# KiCad board PANEL7x5_ADS1293.kicad_pcb (continued)
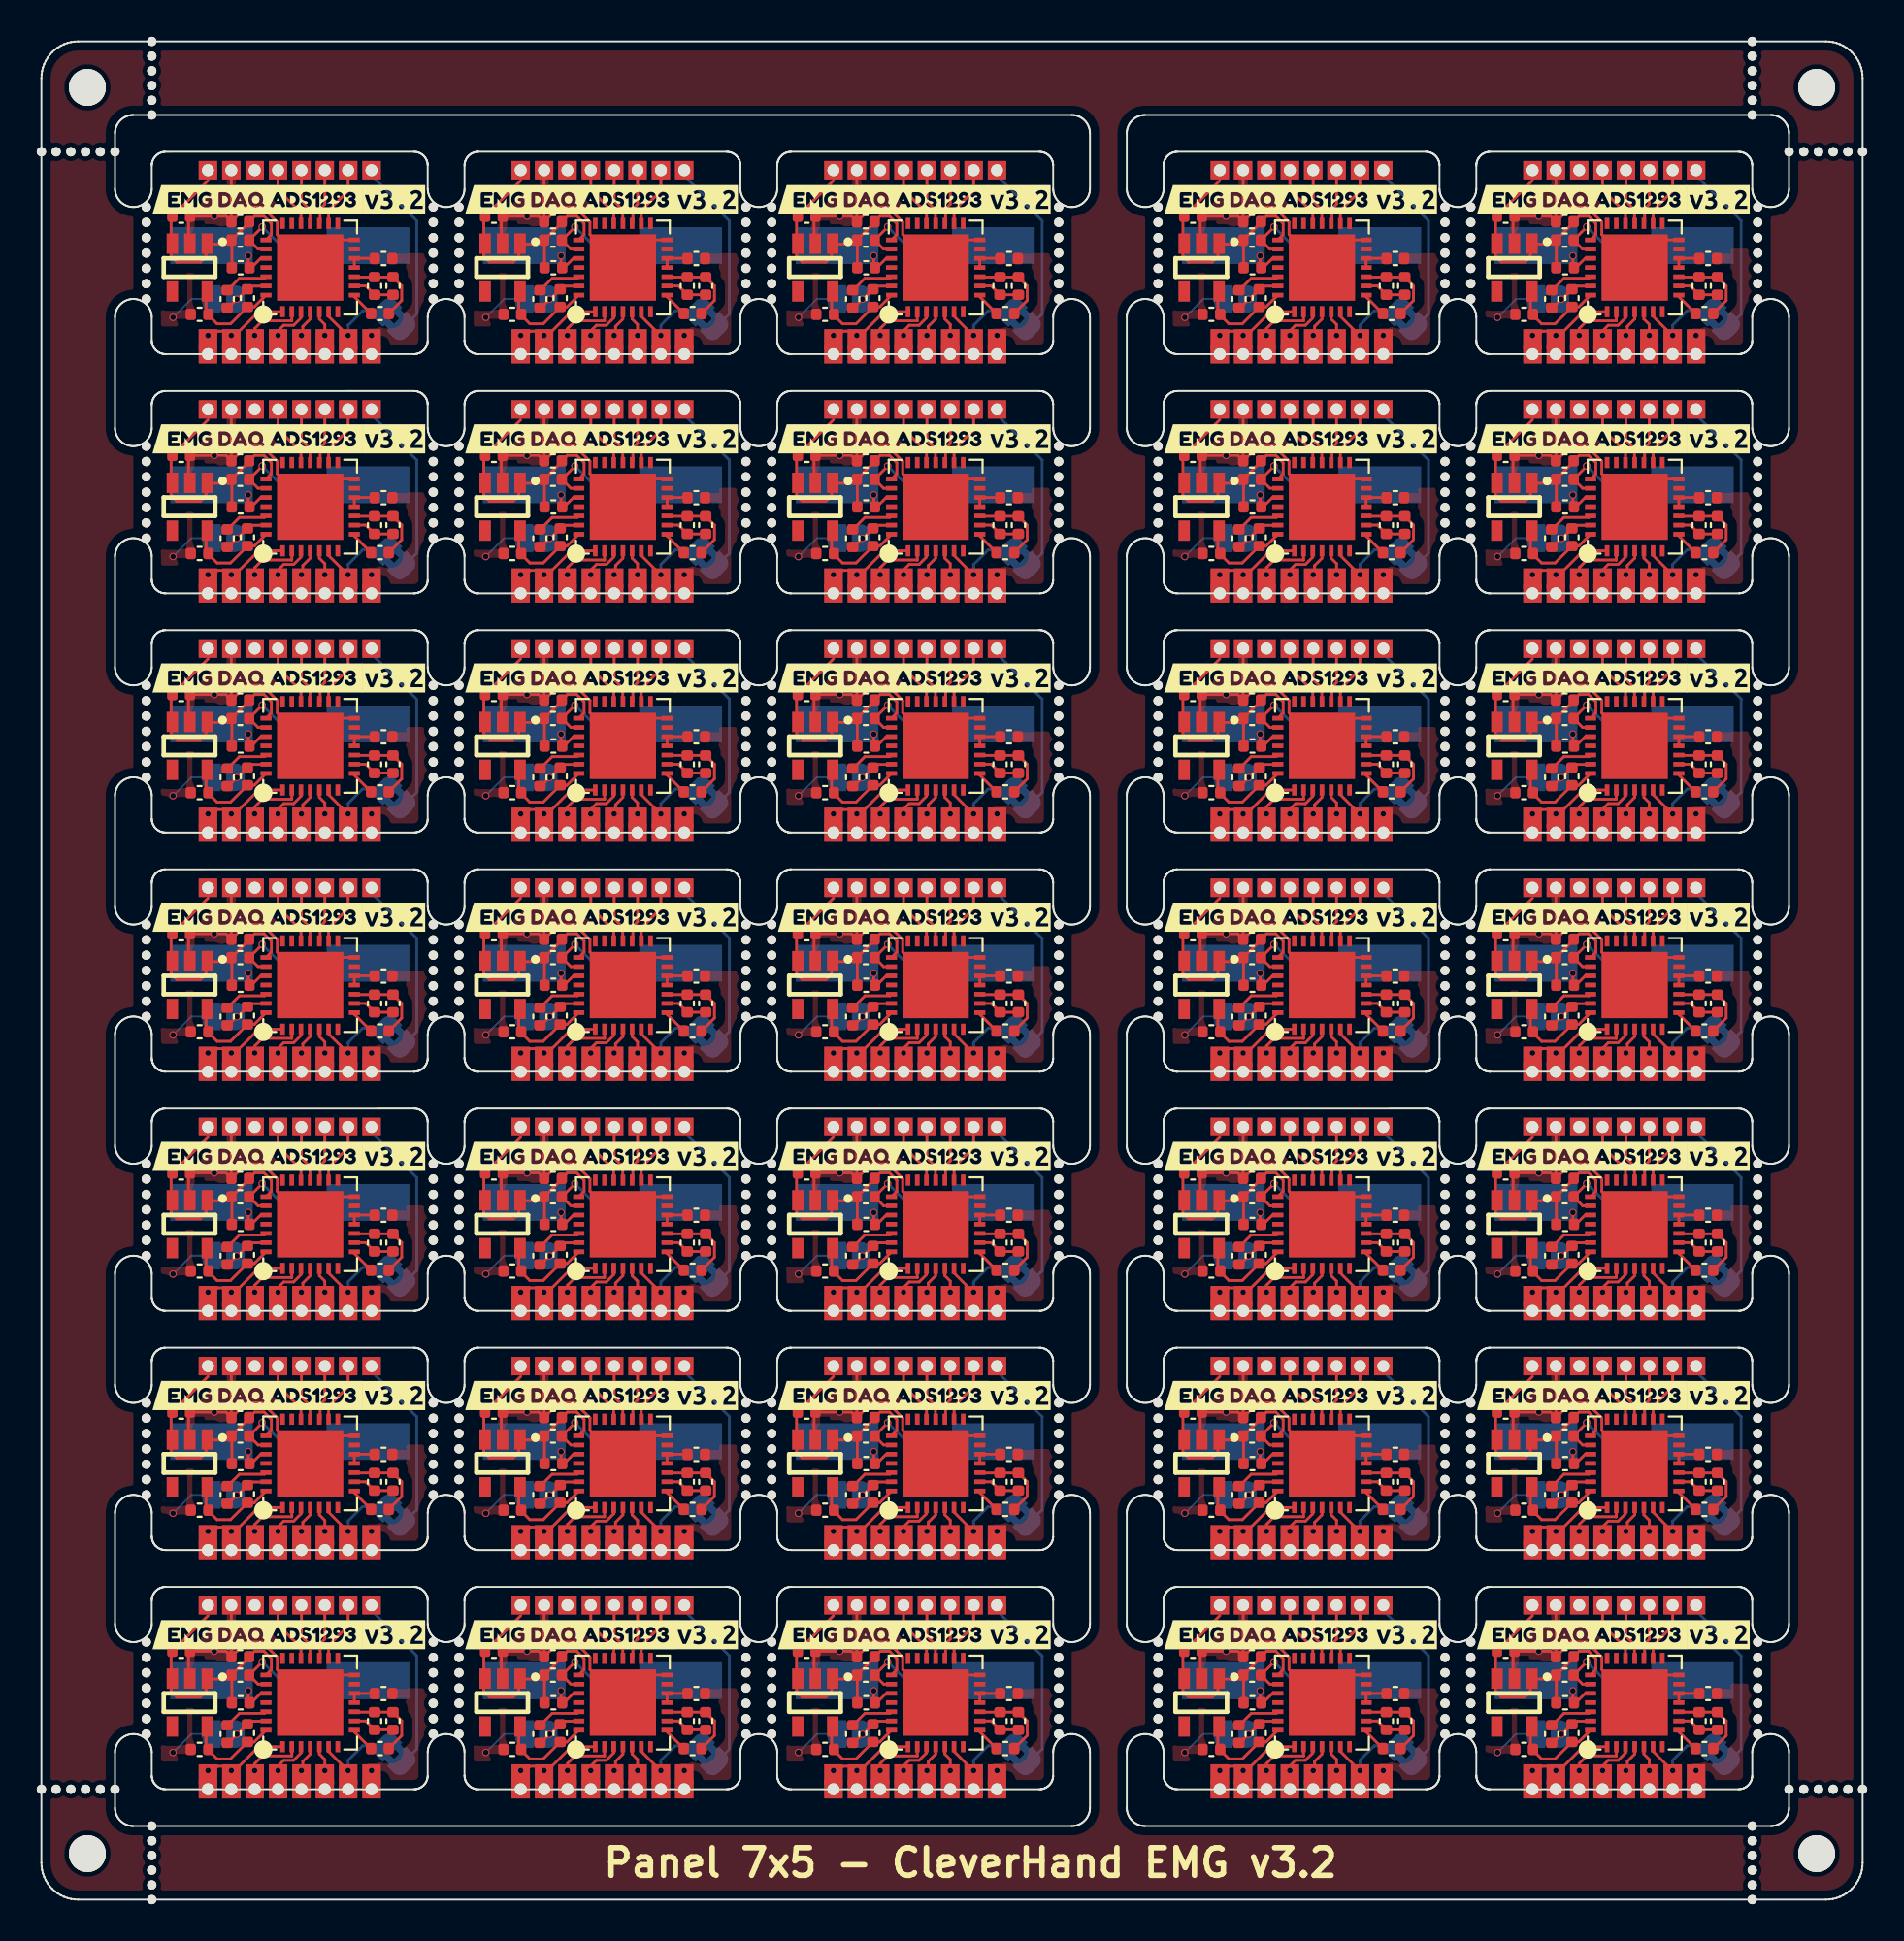
[diagram p0: board, top side]
## Placement (name value [footprint] x y rotation side) (continued)
J1#22  Conn_01x01_Pin  [PinHeader_1x01_P1.27mm_Vertical]  66.59 29 0 top
J1#23  Conn_01x01_Pin  [PinHeader_1x01_P1.27mm_Vertical]  28.6 81 0 top
J1#24  Conn_01x01_Pin  [PinHeader_1x01_P1.27mm_Vertical]  66.59 81 0 top
J1#25  Conn_01x01_Pin  [PinHeader_1x01_P1.27mm_Vertical]  28.6 16 0 top
J1#26  Conn_01x01_Pin  [PinHeader_1x01_P1.27mm_Vertical]  66.59 94 0 top
J1#27  Conn_01x01_Pin  [PinHeader_1x01_P1.27mm_Vertical]  83.59 81 0 top
J1#28  Conn_01x01_Pin  [PinHeader_1x01_P1.27mm_Vertical]  83.59 55 0 top
J1#29  Conn_01x01_Pin  [PinHeader_1x01_P1.27mm_Vertical]  28.6 29 0 top
J1#30  Conn_01x01_Pin  [PinHeader_1x01_P1.27mm_Vertical]  45.59 55 0 top
J1#31  Conn_01x01_Pin  [PinHeader_1x01_P1.27mm_Vertical]  83.59 16 0 top
J1#32  Conn_01x01_Pin  [PinHeader_1x01_P1.27mm_Vertical]  45.59 81 0 top
J1#33  Conn_01x01_Pin  [PinHeader_1x01_P1.27mm_Vertical]  45.59 29 0 top
J1#34  Conn_01x01_Pin  [PinHeader_1x01_P1.27mm_Vertical]  45.59 68 0 top
J1#35  Conn_01x01_Pin  [PinHeader_1x01_P1.27mm_Vertical]  28.6 42 0 top
J2  Conn_01x01_Pin  [PinHeader_1x01_P1.27mm_Vertical]  26.06 6 0 top  (not fitted)
J2#2  Conn_01x01_Pin  [PinHeader_1x01_P1.27mm_Vertical]  64.06 19 0 top  (not fitted)
J2#3  Conn_01x01_Pin  [PinHeader_1x01_P1.27mm_Vertical]  9.05 45 0 top  (not fitted)
J2#4  Conn_01x01_Pin  [PinHeader_1x01_P1.27mm_Vertical]  43.05 71 0 top  (not fitted)
J2#5  Conn_01x01_Pin  [PinHeader_1x01_P1.27mm_Vertical]  26.06 58 0 top  (not fitted)
J2#6  Conn_01x01_Pin  [PinHeader_1x01_P1.27mm_Vertical]  26.06 71 0 top  (not fitted)
J2#7  Conn_01x01_Pin  [PinHeader_1x01_P1.27mm_Vertical]  64.06 6 0 top  (not fitted)
J2#8  Conn_01x01_Pin  [PinHeader_1x01_P1.27mm_Vertical]  9.05 71 0 top  (not fitted)
J2#9  Conn_01x01_Pin  [PinHeader_1x01_P1.27mm_Vertical]  26.06 84 0 top  (not fitted)
J2#10  Conn_01x01_Pin  [PinHeader_1x01_P1.27mm_Vertical]  81.06 19 0 top  (not fitted)
J2#11  Conn_01x01_Pin  [PinHeader_1x01_P1.27mm_Vertical]  26.06 32 0 top  (not fitted)
J2#12  Conn_01x01_Pin  [PinHeader_1x01_P1.27mm_Vertical]  64.06 71 0 top  (not fitted)
J2#13  Conn_01x01_Pin  [PinHeader_1x01_P1.27mm_Vertical]  81.06 32 0 top  (not fitted)
J2#14  Conn_01x01_Pin  [PinHeader_1x01_P1.27mm_Vertical]  9.05 19 0 top  (not fitted)
J2#15  Conn_01x01_Pin  [PinHeader_1x01_P1.27mm_Vertical]  9.05 32 0 top  (not fitted)
J2#16  Conn_01x01_Pin  [PinHeader_1x01_P1.27mm_Vertical]  64.06 45 0 top  (not fitted)
J2#17  Conn_01x01_Pin  [PinHeader_1x01_P1.27mm_Vertical]  43.05 84 0 top  (not fitted)
J2#18  Conn_01x01_Pin  [PinHeader_1x01_P1.27mm_Vertical]  43.05 19 0 top  (not fitted)
J2#19  Conn_01x01_Pin  [PinHeader_1x01_P1.27mm_Vertical]  81.06 6 0 top  (not fitted)
J2#20  Conn_01x01_Pin  [PinHeader_1x01_P1.27mm_Vertical]  43.05 45 0 top  (not fitted)
J2#21  Conn_01x01_Pin  [PinHeader_1x01_P1.27mm_Vertical]  26.06 19 0 top  (not fitted)
J2#22  Conn_01x01_Pin  [PinHeader_1x01_P1.27mm_Vertical]  26.06 45 0 top  (not fitted)
J2#23  Conn_01x01_Pin  [PinHeader_1x01_P1.27mm_Vertical]  81.06 45 0 top  (not fitted)
J2#24  Conn_01x01_Pin  [PinHeader_1x01_P1.27mm_Vertical]  81.06 84 0 top  (not fitted)
J2#25  Conn_01x01_Pin  [PinHeader_1x01_P1.27mm_Vertical]  64.06 84 0 top  (not fitted)
J2#26  Conn_01x01_Pin  [PinHeader_1x01_P1.27mm_Vertical]  43.05 58 0 top  (not fitted)
J2#27  Conn_01x01_Pin  [PinHeader_1x01_P1.27mm_Vertical]  43.05 32 0 top  (not fitted)
J2#28  Conn_01x01_Pin  [PinHeader_1x01_P1.27mm_Vertical]  43.05 6 0 top  (not fitted)
J2#29  Conn_01x01_Pin  [PinHeader_1x01_P1.27mm_Vertical]  9.05 84 0 top  (not fitted)
J2#30  Conn_01x01_Pin  [PinHeader_1x01_P1.27mm_Vertical]  81.06 58 0 top  (not fitted)
J2#31  Conn_01x01_Pin  [PinHeader_1x01_P1.27mm_Vertical]  64.06 58 0 top  (not fitted)
J2#32  Conn_01x01_Pin  [PinHeader_1x01_P1.27mm_Vertical]  9.05 58 0 top  (not fitted)
J2#33  Conn_01x01_Pin  [PinHeader_1x01_P1.27mm_Vertical]  9.05 6 0 top  (not fitted)
J2#34  Conn_01x01_Pin  [PinHeader_1x01_P1.27mm_Vertical]  81.06 71 0 top  (not fitted)
J2#35  Conn_01x01_Pin  [PinHeader_1x01_P1.27mm_Vertical]  64.06 32 0 top  (not fitted)
J3  Conn_01x01_Pin  [PinHeader_1x01_P1.27mm_Vertical]  27.33 32 0 top  (not fitted)
J3#2  Conn_01x01_Pin  [PinHeader_1x01_P1.27mm_Vertical]  65.33 71 0 top  (not fitted)
J3#3  Conn_01x01_Pin  [PinHeader_1x01_P1.27mm_Vertical]  10.33 45 0 top  (not fitted)
J3#4  Conn_01x01_Pin  [PinHeader_1x01_P1.27mm_Vertical]  65.33 58 0 top  (not fitted)
J3#5  Conn_01x01_Pin  [PinHeader_1x01_P1.27mm_Vertical]  27.33 71 0 top  (not fitted)
J3#6  Conn_01x01_Pin  [PinHeader_1x01_P1.27mm_Vertical]  44.33 58 0 top  (not fitted)
J3#7  Conn_01x01_Pin  [PinHeader_1x01_P1.27mm_Vertical]  82.33 19 0 top  (not fitted)
J3#8  Conn_01x01_Pin  [PinHeader_1x01_P1.27mm_Vertical]  27.33 6 0 top  (not fitted)
J3#9  Conn_01x01_Pin  [PinHeader_1x01_P1.27mm_Vertical]  10.33 6 0 top  (not fitted)
J3#10  Conn_01x01_Pin  [PinHeader_1x01_P1.27mm_Vertical]  65.33 19 0 top  (not fitted)
J3#11  Conn_01x01_Pin  [PinHeader_1x01_P1.27mm_Vertical]  82.33 45 0 top  (not fitted)
J3#12  Conn_01x01_Pin  [PinHeader_1x01_P1.27mm_Vertical]  82.33 6 0 top  (not fitted)
J3#13  Conn_01x01_Pin  [PinHeader_1x01_P1.27mm_Vertical]  27.33 58 0 top  (not fitted)
J3#14  Conn_01x01_Pin  [PinHeader_1x01_P1.27mm_Vertical]  10.33 71 0 top  (not fitted)
J3#15  Conn_01x01_Pin  [PinHeader_1x01_P1.27mm_Vertical]  82.33 58 0 top  (not fitted)
J3#16  Conn_01x01_Pin  [PinHeader_1x01_P1.27mm_Vertical]  44.33 32 0 top  (not fitted)
J3#17  Conn_01x01_Pin  [PinHeader_1x01_P1.27mm_Vertical]  82.33 71 0 top  (not fitted)
J3#18  Conn_01x01_Pin  [PinHeader_1x01_P1.27mm_Vertical]  44.33 71 0 top  (not fitted)
J3#19  Conn_01x01_Pin  [PinHeader_1x01_P1.27mm_Vertical]  82.33 32 0 top  (not fitted)
J3#20  Conn_01x01_Pin  [PinHeader_1x01_P1.27mm_Vertical]  65.33 45 0 top  (not fitted)
J3#21  Conn_01x01_Pin  [PinHeader_1x01_P1.27mm_Vertical]  44.33 45 0 top  (not fitted)
J3#22  Conn_01x01_Pin  [PinHeader_1x01_P1.27mm_Vertical]  65.33 6 0 top  (not fitted)
J3#23  Conn_01x01_Pin  [PinHeader_1x01_P1.27mm_Vertical]  27.33 19 0 top  (not fitted)
J3#24  Conn_01x01_Pin  [PinHeader_1x01_P1.27mm_Vertical]  44.33 6 0 top  (not fitted)
J3#25  Conn_01x01_Pin  [PinHeader_1x01_P1.27mm_Vertical]  82.33 84 0 top  (not fitted)
J3#26  Conn_01x01_Pin  [PinHeader_1x01_P1.27mm_Vertical]  10.33 84 0 top  (not fitted)
J3#27  Conn_01x01_Pin  [PinHeader_1x01_P1.27mm_Vertical]  27.33 45 0 top  (not fitted)
J3#28  Conn_01x01_Pin  [PinHeader_1x01_P1.27mm_Vertical]  10.33 58 0 top  (not fitted)
J3#29  Conn_01x01_Pin  [PinHeader_1x01_P1.27mm_Vertical]  27.33 84 0 top  (not fitted)
J3#30  Conn_01x01_Pin  [PinHeader_1x01_P1.27mm_Vertical]  65.33 32 0 top  (not fitted)
J3#31  Conn_01x01_Pin  [PinHeader_1x01_P1.27mm_Vertical]  44.33 84 0 top  (not fitted)
J3#32  Conn_01x01_Pin  [PinHeader_1x01_P1.27mm_Vertical]  65.33 84 0 top  (not fitted)
J3#33  Conn_01x01_Pin  [PinHeader_1x01_P1.27mm_Vertical]  10.33 32 0 top  (not fitted)
J3#34  Conn_01x01_Pin  [PinHeader_1x01_P1.27mm_Vertical]  10.33 19 0 top  (not fitted)
J3#35  Conn_01x01_Pin  [PinHeader_1x01_P1.27mm_Vertical]  44.33 19 0 top  (not fitted)
J4  Conn_01x01_Pin  [PinHeader_1x01_P1.27mm_Vertical]  66.59 71 0 top  (not fitted)
J4#2  Conn_01x01_Pin  [PinHeader_1x01_P1.27mm_Vertical]  11.59 6 0 top  (not fitted)
J4#3  Conn_01x01_Pin  [PinHeader_1x01_P1.27mm_Vertical]  45.59 71 0 top  (not fitted)
J4#4  Conn_01x01_Pin  [PinHeader_1x01_P1.27mm_Vertical]  11.59 84 0 top  (not fitted)
J4#5  Conn_01x01_Pin  [PinHeader_1x01_P1.27mm_Vertical]  28.6 58 0 top  (not fitted)
J4#6  Conn_01x01_Pin  [PinHeader_1x01_P1.27mm_Vertical]  28.6 32 0 top  (not fitted)
J4#7  Conn_01x01_Pin  [PinHeader_1x01_P1.27mm_Vertical]  83.59 71 0 top  (not fitted)
J4#8  Conn_01x01_Pin  [PinHeader_1x01_P1.27mm_Vertical]  66.59 19 0 top  (not fitted)
J4#9  Conn_01x01_Pin  [PinHeader_1x01_P1.27mm_Vertical]  28.6 19 0 top  (not fitted)
J4#10  Conn_01x01_Pin  [PinHeader_1x01_P1.27mm_Vertical]  83.59 19 0 top  (not fitted)
J4#11  Conn_01x01_Pin  [PinHeader_1x01_P1.27mm_Vertical]  45.59 32 0 top  (not fitted)
J4#12  Conn_01x01_Pin  [PinHeader_1x01_P1.27mm_Vertical]  28.6 84 0 top  (not fitted)
J4#13  Conn_01x01_Pin  [PinHeader_1x01_P1.27mm_Vertical]  83.59 45 0 top  (not fitted)
J4#14  Conn_01x01_Pin  [PinHeader_1x01_P1.27mm_Vertical]  83.59 58 0 top  (not fitted)
J4#15  Conn_01x01_Pin  [PinHeader_1x01_P1.27mm_Vertical]  11.59 45 0 top  (not fitted)
J4#16  Conn_01x01_Pin  [PinHeader_1x01_P1.27mm_Vertical]  66.59 6 0 top  (not fitted)
J4#17  Conn_01x01_Pin  [PinHeader_1x01_P1.27mm_Vertical]  83.59 84 0 top  (not fitted)
J4#18  Conn_01x01_Pin  [PinHeader_1x01_P1.27mm_Vertical]  66.59 58 0 top  (not fitted)
J4#19  Conn_01x01_Pin  [PinHeader_1x01_P1.27mm_Vertical]  83.59 32 0 top  (not fitted)
J4#20  Conn_01x01_Pin  [PinHeader_1x01_P1.27mm_Vertical]  45.59 45 0 top  (not fitted)
J4#21  Conn_01x01_Pin  [PinHeader_1x01_P1.27mm_Vertical]  11.59 71 0 top  (not fitted)
J4#22  Conn_01x01_Pin  [PinHeader_1x01_P1.27mm_Vertical]  45.59 58 0 top  (not fitted)
J4#23  Conn_01x01_Pin  [PinHeader_1x01_P1.27mm_Vertical]  11.59 32 0 top  (not fitted)
J4#24  Conn_01x01_Pin  [PinHeader_1x01_P1.27mm_Vertical]  28.6 45 0 top  (not fitted)
J4#25  Conn_01x01_Pin  [PinHeader_1x01_P1.27mm_Vertical]  45.59 84 0 top  (not fitted)
J4#26  Conn_01x01_Pin  [PinHeader_1x01_P1.27mm_Vertical]  83.59 6 0 top  (not fitted)
J4#27  Conn_01x01_Pin  [PinHeader_1x01_P1.27mm_Vertical]  11.59 58 0 top  (not fitted)
J4#28  Conn_01x01_Pin  [PinHeader_1x01_P1.27mm_Vertical]  66.59 84 0 top  (not fitted)
J4#29  Conn_01x01_Pin  [PinHeader_1x01_P1.27mm_Vertical]  66.59 45 0 top  (not fitted)
J4#30  Conn_01x01_Pin  [PinHeader_1x01_P1.27mm_Vertical]  28.6 71 0 top  (not fitted)
J4#31  Conn_01x01_Pin  [PinHeader_1x01_P1.27mm_Vertical]  11.59 19 0 top  (not fitted)
J4#32  Conn_01x01_Pin  [PinHeader_1x01_P1.27mm_Vertical]  28.6 6 0 top  (not fitted)
J4#33  Conn_01x01_Pin  [PinHeader_1x01_P1.27mm_Vertical]  66.59 32 0 top  (not fitted)
J4#34  Conn_01x01_Pin  [PinHeader_1x01_P1.27mm_Vertical]  45.59 19 0 top  (not fitted)
J4#35  Conn_01x01_Pin  [PinHeader_1x01_P1.27mm_Vertical]  45.59 6 0 top  (not fitted)
J5  Conn_01x01_Pin  [PinHeader_1x01_P1.27mm_Vertical]  29.87 71 0 top  (not fitted)
J5#2  Conn_01x01_Pin  [PinHeader_1x01_P1.27mm_Vertical]  12.87 32 0 top  (not fitted)
J5#3  Conn_01x01_Pin  [PinHeader_1x01_P1.27mm_Vertical]  12.87 71 0 top  (not fitted)
J5#4  Conn_01x01_Pin  [PinHeader_1x01_P1.27mm_Vertical]  67.87 84 0 top  (not fitted)
J5#5  Conn_01x01_Pin  [PinHeader_1x01_P1.27mm_Vertical]  46.87 19 0 top  (not fitted)
J5#6  Conn_01x01_Pin  [PinHeader_1x01_P1.27mm_Vertical]  29.87 58 0 top  (not fitted)
J5#7  Conn_01x01_Pin  [PinHeader_1x01_P1.27mm_Vertical]  12.87 45 0 top  (not fitted)
J5#8  Conn_01x01_Pin  [PinHeader_1x01_P1.27mm_Vertical]  12.87 84 0 top  (not fitted)
J5#9  Conn_01x01_Pin  [PinHeader_1x01_P1.27mm_Vertical]  29.87 84 0 top  (not fitted)
J5#10  Conn_01x01_Pin  [PinHeader_1x01_P1.27mm_Vertical]  46.87 84 0 top  (not fitted)
J5#11  Conn_01x01_Pin  [PinHeader_1x01_P1.27mm_Vertical]  67.87 71 0 top  (not fitted)
J5#12  Conn_01x01_Pin  [PinHeader_1x01_P1.27mm_Vertical]  67.87 6 0 top  (not fitted)
J5#13  Conn_01x01_Pin  [PinHeader_1x01_P1.27mm_Vertical]  46.87 32 0 top  (not fitted)
J5#14  Conn_01x01_Pin  [PinHeader_1x01_P1.27mm_Vertical]  84.87 84 0 top  (not fitted)
J5#15  Conn_01x01_Pin  [PinHeader_1x01_P1.27mm_Vertical]  67.87 58 0 top  (not fitted)
J5#16  Conn_01x01_Pin  [PinHeader_1x01_P1.27mm_Vertical]  29.87 32 0 top  (not fitted)
J5#17  Conn_01x01_Pin  [PinHeader_1x01_P1.27mm_Vertical]  84.87 32 0 top  (not fitted)
J5#18  Conn_01x01_Pin  [PinHeader_1x01_P1.27mm_Vertical]  29.87 19 0 top  (not fitted)
J5#19  Conn_01x01_Pin  [PinHeader_1x01_P1.27mm_Vertical]  67.87 19 0 top  (not fitted)
J5#20  Conn_01x01_Pin  [PinHeader_1x01_P1.27mm_Vertical]  29.87 45 0 top  (not fitted)
J5#21  Conn_01x01_Pin  [PinHeader_1x01_P1.27mm_Vertical]  12.87 19 0 top  (not fitted)
J5#22  Conn_01x01_Pin  [PinHeader_1x01_P1.27mm_Vertical]  67.87 32 0 top  (not fitted)
J5#23  Conn_01x01_Pin  [PinHeader_1x01_P1.27mm_Vertical]  29.87 6 0 top  (not fitted)
J5#24  Conn_01x01_Pin  [PinHeader_1x01_P1.27mm_Vertical]  67.87 45 0 top  (not fitted)
J5#25  Conn_01x01_Pin  [PinHeader_1x01_P1.27mm_Vertical]  46.87 71 0 top  (not fitted)
J5#26  Conn_01x01_Pin  [PinHeader_1x01_P1.27mm_Vertical]  84.87 58 0 top  (not fitted)
J5#27  Conn_01x01_Pin  [PinHeader_1x01_P1.27mm_Vertical]  84.87 71 0 top  (not fitted)
J5#28  Conn_01x01_Pin  [PinHeader_1x01_P1.27mm_Vertical]  84.87 6 0 top  (not fitted)
J5#29  Conn_01x01_Pin  [PinHeader_1x01_P1.27mm_Vertical]  84.87 45 0 top  (not fitted)
J5#30  Conn_01x01_Pin  [PinHeader_1x01_P1.27mm_Vertical]  46.87 6 0 top  (not fitted)
J5#31  Conn_01x01_Pin  [PinHeader_1x01_P1.27mm_Vertical]  12.87 58 0 top  (not fitted)
J5#32  Conn_01x01_Pin  [PinHeader_1x01_P1.27mm_Vertical]  46.87 58 0 top  (not fitted)
J5#33  Conn_01x01_Pin  [PinHeader_1x01_P1.27mm_Vertical]  84.87 19 0 top  (not fitted)
J5#34  Conn_01x01_Pin  [PinHeader_1x01_P1.27mm_Vertical]  12.87 6 0 top  (not fitted)
J5#35  Conn_01x01_Pin  [PinHeader_1x01_P1.27mm_Vertical]  46.87 45 0 top  (not fitted)
J6  Conn_01x01_Pin  [PinHeader_1x01_P1.27mm_Vertical]  48.14 45 0 top  (not fitted)
J6#2  Conn_01x01_Pin  [PinHeader_1x01_P1.27mm_Vertical]  69.14 45 0 top  (not fitted)
J6#3  Conn_01x01_Pin  [PinHeader_1x01_P1.27mm_Vertical]  31.14 45 0 top  (not fitted)
J6#4  Conn_01x01_Pin  [PinHeader_1x01_P1.27mm_Vertical]  31.14 58 0 top  (not fitted)
J6#5  Conn_01x01_Pin  [PinHeader_1x01_P1.27mm_Vertical]  48.14 32 0 top  (not fitted)
J6#6  Conn_01x01_Pin  [PinHeader_1x01_P1.27mm_Vertical]  14.14 58 0 top  (not fitted)
J6#7  Conn_01x01_Pin  [PinHeader_1x01_P1.27mm_Vertical]  31.14 32 0 top  (not fitted)
J6#8  Conn_01x01_Pin  [PinHeader_1x01_P1.27mm_Vertical]  14.14 71 0 top  (not fitted)
J6#9  Conn_01x01_Pin  [PinHeader_1x01_P1.27mm_Vertical]  69.14 32 0 top  (not fitted)
J6#10  Conn_01x01_Pin  [PinHeader_1x01_P1.27mm_Vertical]  14.14 84 0 top  (not fitted)
J6#11  Conn_01x01_Pin  [PinHeader_1x01_P1.27mm_Vertical]  31.14 19 0 top  (not fitted)
J6#12  Conn_01x01_Pin  [PinHeader_1x01_P1.27mm_Vertical]  31.14 6 0 top  (not fitted)
J6#13  Conn_01x01_Pin  [PinHeader_1x01_P1.27mm_Vertical]  69.14 19 0 top  (not fitted)
J6#14  Conn_01x01_Pin  [PinHeader_1x01_P1.27mm_Vertical]  86.14 58 0 top  (not fitted)
J6#15  Conn_01x01_Pin  [PinHeader_1x01_P1.27mm_Vertical]  48.14 84 0 top  (not fitted)
J6#16  Conn_01x01_Pin  [PinHeader_1x01_P1.27mm_Vertical]  69.14 58 0 top  (not fitted)
J6#17  Conn_01x01_Pin  [PinHeader_1x01_P1.27mm_Vertical]  31.14 84 0 top  (not fitted)
J6#18  Conn_01x01_Pin  [PinHeader_1x01_P1.27mm_Vertical]  86.14 71 0 top  (not fitted)
J6#19  Conn_01x01_Pin  [PinHeader_1x01_P1.27mm_Vertical]  69.14 84 0 top  (not fitted)
J6#20  Conn_01x01_Pin  [PinHeader_1x01_P1.27mm_Vertical]  31.14 71 0 top  (not fitted)
J6#21  Conn_01x01_Pin  [PinHeader_1x01_P1.27mm_Vertical]  14.14 45 0 top  (not fitted)
J6#22  Conn_01x01_Pin  [PinHeader_1x01_P1.27mm_Vertical]  86.14 84 0 top  (not fitted)
J6#23  Conn_01x01_Pin  [PinHeader_1x01_P1.27mm_Vertical]  48.14 71 0 top  (not fitted)
J6#24  Conn_01x01_Pin  [PinHeader_1x01_P1.27mm_Vertical]  86.14 19 0 top  (not fitted)
J6#25  Conn_01x01_Pin  [PinHeader_1x01_P1.27mm_Vertical]  14.14 19 0 top  (not fitted)
J6#26  Conn_01x01_Pin  [PinHeader_1x01_P1.27mm_Vertical]  86.14 45 0 top  (not fitted)
J6#27  Conn_01x01_Pin  [PinHeader_1x01_P1.27mm_Vertical]  86.14 6 0 top  (not fitted)
J6#28  Conn_01x01_Pin  [PinHeader_1x01_P1.27mm_Vertical]  48.14 19 0 top  (not fitted)
J6#29  Conn_01x01_Pin  [PinHeader_1x01_P1.27mm_Vertical]  86.14 32 0 top  (not fitted)
J6#30  Conn_01x01_Pin  [PinHeader_1x01_P1.27mm_Vertical]  48.14 6 0 top  (not fitted)
J6#31  Conn_01x01_Pin  [PinHeader_1x01_P1.27mm_Vertical]  14.14 32 0 top  (not fitted)
J6#32  Conn_01x01_Pin  [PinHeader_1x01_P1.27mm_Vertical]  69.14 6 0 top  (not fitted)
J6#33  Conn_01x01_Pin  [PinHeader_1x01_P1.27mm_Vertical]  14.14 6 0 top  (not fitted)
J6#34  Conn_01x01_Pin  [PinHeader_1x01_P1.27mm_Vertical]  69.14 71 0 top  (not fitted)
J6#35  Conn_01x01_Pin  [PinHeader_1x01_P1.27mm_Vertical]  48.14 58 0 top  (not fitted)
J7  Conn_01x01_Pin  [PinHeader_1x01_P1.27mm_Vertical]  17.95 55 180 top
J7#2  Conn_01x01_Pin  [PinHeader_1x01_P1.27mm_Vertical]  34.95 16 180 top
J7#3  Conn_01x01_Pin  [PinHeader_1x01_P1.27mm_Vertical]  51.95 55 180 top
J7#4  Conn_01x01_Pin  [PinHeader_1x01_P1.27mm_Vertical]  34.95 29 180 top
J7#5  Conn_01x01_Pin  [PinHeader_1x01_P1.27mm_Vertical]  17.95 42 180 top
J7#6  Conn_01x01_Pin  [PinHeader_1x01_P1.27mm_Vertical]  72.94 29 180 top
J7#7  Conn_01x01_Pin  [PinHeader_1x01_P1.27mm_Vertical]  72.94 42 180 top
J7#8  Conn_01x01_Pin  [PinHeader_1x01_P1.27mm_Vertical]  51.95 81 180 top
J7#9  Conn_01x01_Pin  [PinHeader_1x01_P1.27mm_Vertical]  51.95 42 180 top
J7#10  Conn_01x01_Pin  [PinHeader_1x01_P1.27mm_Vertical]  34.95 94 180 top
J7#11  Conn_01x01_Pin  [PinHeader_1x01_P1.27mm_Vertical]  17.95 81 180 top
J7#12  Conn_01x01_Pin  [PinHeader_1x01_P1.27mm_Vertical]  17.95 29 180 top
J7#13  Conn_01x01_Pin  [PinHeader_1x01_P1.27mm_Vertical]  17.95 68 180 top
J7#14  Conn_01x01_Pin  [PinHeader_1x01_P1.27mm_Vertical]  72.94 16 180 top
J7#15  Conn_01x01_Pin  [PinHeader_1x01_P1.27mm_Vertical]  89.94 55 180 top
J7#16  Conn_01x01_Pin  [PinHeader_1x01_P1.27mm_Vertical]  72.94 55 180 top
J7#17  Conn_01x01_Pin  [PinHeader_1x01_P1.27mm_Vertical]  89.94 42 180 top
J7#18  Conn_01x01_Pin  [PinHeader_1x01_P1.27mm_Vertical]  89.94 94 180 top
J7#19  Conn_01x01_Pin  [PinHeader_1x01_P1.27mm_Vertical]  34.95 68 180 top
J7#20  Conn_01x01_Pin  [PinHeader_1x01_P1.27mm_Vertical]  17.95 16 180 top
J7#21  Conn_01x01_Pin  [PinHeader_1x01_P1.27mm_Vertical]  51.95 16 180 top
J7#22  Conn_01x01_Pin  [PinHeader_1x01_P1.27mm_Vertical]  89.94 68 180 top
J7#23  Conn_01x01_Pin  [PinHeader_1x01_P1.27mm_Vertical]  17.95 94 180 top
J7#24  Conn_01x01_Pin  [PinHeader_1x01_P1.27mm_Vertical]  51.95 29 180 top
J7#25  Conn_01x01_Pin  [PinHeader_1x01_P1.27mm_Vertical]  72.94 81 180 top
J7#26  Conn_01x01_Pin  [PinHeader_1x01_P1.27mm_Vertical]  34.95 55 180 top
J7#27  Conn_01x01_Pin  [PinHeader_1x01_P1.27mm_Vertical]  89.94 29 180 top
J7#28  Conn_01x01_Pin  [PinHeader_1x01_P1.27mm_Vertical]  72.94 94 180 top
J7#29  Conn_01x01_Pin  [PinHeader_1x01_P1.27mm_Vertical]  34.95 42 180 top
J7#30  Conn_01x01_Pin  [PinHeader_1x01_P1.27mm_Vertical]  51.95 94 180 top
J7#31  Conn_01x01_Pin  [PinHeader_1x01_P1.27mm_Vertical]  89.94 16 180 top
J7#32  Conn_01x01_Pin  [PinHeader_1x01_P1.27mm_Vertical]  51.95 68 180 top
J7#33  Conn_01x01_Pin  [PinHeader_1x01_P1.27mm_Vertical]  72.94 68 180 top
J7#34  Conn_01x01_Pin  [PinHeader_1x01_P1.27mm_Vertical]  34.95 81 180 top
J7#35  Conn_01x01_Pin  [PinHeader_1x01_P1.27mm_Vertical]  89.94 81 180 top
J8  Conn_01x01_Pin  [PinHeader_1x01_P1.27mm_Vertical]  49.41 71 0 top  (not fitted)
J8#2  Conn_01x01_Pin  [PinHeader_1x01_P1.27mm_Vertical]  49.41 6 0 top  (not fitted)
J8#3  Conn_01x01_Pin  [PinHeader_1x01_P1.27mm_Vertical]  49.41 45 0 top  (not fitted)
J8#4  Conn_01x01_Pin  [PinHeader_1x01_P1.27mm_Vertical]  32.41 58 0 top  (not fitted)
J8#5  Conn_01x01_Pin  [PinHeader_1x01_P1.27mm_Vertical]  70.41 19 0 top  (not fitted)
J8#6  Conn_01x01_Pin  [PinHeader_1x01_P1.27mm_Vertical]  32.41 19 0 top  (not fitted)
J8#7  Conn_01x01_Pin  [PinHeader_1x01_P1.27mm_Vertical]  15.41 84 0 top  (not fitted)
J8#8  Conn_01x01_Pin  [PinHeader_1x01_P1.27mm_Vertical]  15.41 32 0 top  (not fitted)
J8#9  Conn_01x01_Pin  [PinHeader_1x01_P1.27mm_Vertical]  15.41 19 0 top  (not fitted)
J8#10  Conn_01x01_Pin  [PinHeader_1x01_P1.27mm_Vertical]  87.41 71 0 top  (not fitted)
J8#11  Conn_01x01_Pin  [PinHeader_1x01_P1.27mm_Vertical]  15.41 6 0 top  (not fitted)
J8#12  Conn_01x01_Pin  [PinHeader_1x01_P1.27mm_Vertical]  70.41 6 0 top  (not fitted)
J8#13  Conn_01x01_Pin  [PinHeader_1x01_P1.27mm_Vertical]  49.41 19 0 top  (not fitted)
J8#14  Conn_01x01_Pin  [PinHeader_1x01_P1.27mm_Vertical]  15.41 71 0 top  (not fitted)
J8#15  Conn_01x01_Pin  [PinHeader_1x01_P1.27mm_Vertical]  70.41 58 0 top  (not fitted)
J8#16  Conn_01x01_Pin  [PinHeader_1x01_P1.27mm_Vertical]  15.41 45 0 top  (not fitted)
J8#17  Conn_01x01_Pin  [PinHeader_1x01_P1.27mm_Vertical]  70.41 45 0 top  (not fitted)
J8#18  Conn_01x01_Pin  [PinHeader_1x01_P1.27mm_Vertical]  49.41 32 0 top  (not fitted)
J8#19  Conn_01x01_Pin  [PinHeader_1x01_P1.27mm_Vertical]  32.41 71 0 top  (not fitted)
J8#20  Conn_01x01_Pin  [PinHeader_1x01_P1.27mm_Vertical]  32.41 45 0 top  (not fitted)
J8#21  Conn_01x01_Pin  [PinHeader_1x01_P1.27mm_Vertical]  87.41 84 0 top  (not fitted)
J8#22  Conn_01x01_Pin  [PinHeader_1x01_P1.27mm_Vertical]  15.41 58 0 top  (not fitted)
J8#23  Conn_01x01_Pin  [PinHeader_1x01_P1.27mm_Vertical]  87.41 58 0 top  (not fitted)
J8#24  Conn_01x01_Pin  [PinHeader_1x01_P1.27mm_Vertical]  49.41 58 0 top  (not fitted)
J8#25  Conn_01x01_Pin  [PinHeader_1x01_P1.27mm_Vertical]  87.41 19 0 top  (not fitted)
J8#26  Conn_01x01_Pin  [PinHeader_1x01_P1.27mm_Vertical]  32.41 84 0 top  (not fitted)
J8#27  Conn_01x01_Pin  [PinHeader_1x01_P1.27mm_Vertical]  32.41 32 0 top  (not fitted)
J8#28  Conn_01x01_Pin  [PinHeader_1x01_P1.27mm_Vertical]  87.41 6 0 top  (not fitted)
J8#29  Conn_01x01_Pin  [PinHeader_1x01_P1.27mm_Vertical]  70.41 84 0 top  (not fitted)
J8#30  Conn_01x01_Pin  [PinHeader_1x01_P1.27mm_Vertical]  70.41 32 0 top  (not fitted)
J8#31  Conn_01x01_Pin  [PinHeader_1x01_P1.27mm_Vertical]  70.41 71 0 top  (not fitted)
J8#32  Conn_01x01_Pin  [PinHeader_1x01_P1.27mm_Vertical]  87.41 45 0 top  (not fitted)
J8#33  Conn_01x01_Pin  [PinHeader_1x01_P1.27mm_Vertical]  87.41 32 0 top  (not fitted)
J8#34  Conn_01x01_Pin  [PinHeader_1x01_P1.27mm_Vertical]  49.41 84 0 top  (not fitted)
J8#35  Conn_01x01_Pin  [PinHeader_1x01_P1.27mm_Vertical]  32.41 6 0 top  (not fitted)
J9  Conn_01x01_Pin  [PinHeader_1x01_P1.27mm_Vertical]  46.87 16 180 top
J9#2  Conn_01x01_Pin  [PinHeader_1x01_P1.27mm_Vertical]  12.87 55 180 top
J9#3  Conn_01x01_Pin  [PinHeader_1x01_P1.27mm_Vertical]  12.87 29 180 top
J9#4  Conn_01x01_Pin  [PinHeader_1x01_P1.27mm_Vertical]  84.87 29 180 top
J9#5  Conn_01x01_Pin  [PinHeader_1x01_P1.27mm_Vertical]  29.87 55 180 top
J9#6  Conn_01x01_Pin  [PinHeader_1x01_P1.27mm_Vertical]  12.87 81 180 top
J9#7  Conn_01x01_Pin  [PinHeader_1x01_P1.27mm_Vertical]  46.87 68 180 top
J9#8  Conn_01x01_Pin  [PinHeader_1x01_P1.27mm_Vertical]  29.87 68 180 top
J9#9  Conn_01x01_Pin  [PinHeader_1x01_P1.27mm_Vertical]  67.87 81 180 top
J9#10  Conn_01x01_Pin  [PinHeader_1x01_P1.27mm_Vertical]  67.87 68 180 top
J9#11  Conn_01x01_Pin  [PinHeader_1x01_P1.27mm_Vertical]  67.87 94 180 top
J9#12  Conn_01x01_Pin  [PinHeader_1x01_P1.27mm_Vertical]  84.87 16 180 top
J9#13  Conn_01x01_Pin  [PinHeader_1x01_P1.27mm_Vertical]  67.87 29 180 top
J9#14  Conn_01x01_Pin  [PinHeader_1x01_P1.27mm_Vertical]  84.87 55 180 top
J9#15  Conn_01x01_Pin  [PinHeader_1x01_P1.27mm_Vertical]  67.87 16 180 top
J9#16  Conn_01x01_Pin  [PinHeader_1x01_P1.27mm_Vertical]  46.87 81 180 top
J9#17  Conn_01x01_Pin  [PinHeader_1x01_P1.27mm_Vertical]  46.87 42 180 top
J9#18  Conn_01x01_Pin  [PinHeader_1x01_P1.27mm_Vertical]  12.87 16 180 top
J9#19  Conn_01x01_Pin  [PinHeader_1x01_P1.27mm_Vertical]  46.87 94 180 top
J9#20  Conn_01x01_Pin  [PinHeader_1x01_P1.27mm_Vertical]  29.87 94 180 top
J9#21  Conn_01x01_Pin  [PinHeader_1x01_P1.27mm_Vertical]  29.87 16 180 top
J9#22  Conn_01x01_Pin  [PinHeader_1x01_P1.27mm_Vertical]  12.87 94 180 top
J9#23  Conn_01x01_Pin  [PinHeader_1x01_P1.27mm_Vertical]  84.87 68 180 top
J9#24  Conn_01x01_Pin  [PinHeader_1x01_P1.27mm_Vertical]  46.87 55 180 top
J9#25  Conn_01x01_Pin  [PinHeader_1x01_P1.27mm_Vertical]  29.87 29 180 top
J9#26  Conn_01x01_Pin  [PinHeader_1x01_P1.27mm_Vertical]  12.87 42 180 top
J9#27  Conn_01x01_Pin  [PinHeader_1x01_P1.27mm_Vertical]  29.87 81 180 top
J9#28  Conn_01x01_Pin  [PinHeader_1x01_P1.27mm_Vertical]  29.87 42 180 top
J9#29  Conn_01x01_Pin  [PinHeader_1x01_P1.27mm_Vertical]  67.87 42 180 top
J9#30  Conn_01x01_Pin  [PinHeader_1x01_P1.27mm_Vertical]  84.87 81 180 top
J9#31  Conn_01x01_Pin  [PinHeader_1x01_P1.27mm_Vertical]  67.87 55 180 top
J9#32  Conn_01x01_Pin  [PinHeader_1x01_P1.27mm_Vertical]  46.87 29 180 top
J9#33  Conn_01x01_Pin  [PinHeader_1x01_P1.27mm_Vertical]  84.87 94 180 top
J9#34  Conn_01x01_Pin  [PinHeader_1x01_P1.27mm_Vertical]  12.87 68 180 top
J9#35  Conn_01x01_Pin  [PinHeader_1x01_P1.27mm_Vertical]  84.87 42 180 top
J10  Conn_01x01_Pin  [PinHeader_1x01_P1.27mm_Vertical]  14.14 16 180 top
J10#2  Conn_01x01_Pin  [PinHeader_1x01_P1.27mm_Vertical]  48.14 68 180 top
J10#3  Conn_01x01_Pin  [PinHeader_1x01_P1.27mm_Vertical]  69.14 16 180 top
J10#4  Conn_01x01_Pin  [PinHeader_1x01_P1.27mm_Vertical]  86.14 94 180 top
J10#5  Conn_01x01_Pin  [PinHeader_1x01_P1.27mm_Vertical]  48.14 55 180 top
J10#6  Conn_01x01_Pin  [PinHeader_1x01_P1.27mm_Vertical]  14.14 81 180 top
J10#7  Conn_01x01_Pin  [PinHeader_1x01_P1.27mm_Vertical]  86.14 29 180 top
J10#8  Conn_01x01_Pin  [PinHeader_1x01_P1.27mm_Vertical]  31.14 68 180 top
J10#9  Conn_01x01_Pin  [PinHeader_1x01_P1.27mm_Vertical]  31.14 81 180 top
J10#10  Conn_01x01_Pin  [PinHeader_1x01_P1.27mm_Vertical]  86.14 68 180 top
J10#11  Conn_01x01_Pin  [PinHeader_1x01_P1.27mm_Vertical]  14.14 55 180 top
J10#12  Conn_01x01_Pin  [PinHeader_1x01_P1.27mm_Vertical]  14.14 94 180 top
J10#13  Conn_01x01_Pin  [PinHeader_1x01_P1.27mm_Vertical]  31.14 55 180 top
J10#14  Conn_01x01_Pin  [PinHeader_1x01_P1.27mm_Vertical]  69.14 29 180 top
J10#15  Conn_01x01_Pin  [PinHeader_1x01_P1.27mm_Vertical]  48.14 81 180 top
J10#16  Conn_01x01_Pin  [PinHeader_1x01_P1.27mm_Vertical]  48.14 16 180 top
J10#17  Conn_01x01_Pin  [PinHeader_1x01_P1.27mm_Vertical]  69.14 42 180 top
J10#18  Conn_01x01_Pin  [PinHeader_1x01_P1.27mm_Vertical]  14.14 29 180 top
J10#19  Conn_01x01_Pin  [PinHeader_1x01_P1.27mm_Vertical]  86.14 16 180 top
J10#20  Conn_01x01_Pin  [PinHeader_1x01_P1.27mm_Vertical]  31.14 42 180 top
J10#21  Conn_01x01_Pin  [PinHeader_1x01_P1.27mm_Vertical]  86.14 55 180 top
J10#22  Conn_01x01_Pin  [PinHeader_1x01_P1.27mm_Vertical]  69.14 68 180 top
J10#23  Conn_01x01_Pin  [PinHeader_1x01_P1.27mm_Vertical]  69.14 55 180 top
J10#24  Conn_01x01_Pin  [PinHeader_1x01_P1.27mm_Vertical]  14.14 68 180 top
J10#25  Conn_01x01_Pin  [PinHeader_1x01_P1.27mm_Vertical]  86.14 81 180 top
J10#26  Conn_01x01_Pin  [PinHeader_1x01_P1.27mm_Vertical]  86.14 42 180 top
J10#27  Conn_01x01_Pin  [PinHeader_1x01_P1.27mm_Vertical]  48.14 94 180 top
J10#28  Conn_01x01_Pin  [PinHeader_1x01_P1.27mm_Vertical]  48.14 42 180 top
J10#29  Conn_01x01_Pin  [PinHeader_1x01_P1.27mm_Vertical]  14.14 42 180 top
J10#30  Conn_01x01_Pin  [PinHeader_1x01_P1.27mm_Vertical]  31.14 16 180 top
J10#31  Conn_01x01_Pin  [PinHeader_1x01_P1.27mm_Vertical]  69.14 81 180 top
J10#32  Conn_01x01_Pin  [PinHeader_1x01_P1.27mm_Vertical]  48.14 29 180 top
J10#33  Conn_01x01_Pin  [PinHeader_1x01_P1.27mm_Vertical]  31.14 29 180 top
J10#34  Conn_01x01_Pin  [PinHeader_1x01_P1.27mm_Vertical]  31.14 94 180 top
J10#35  Conn_01x01_Pin  [PinHeader_1x01_P1.27mm_Vertical]  69.14 94 180 top
J11  Conn_01x01_Pin  [PinHeader_1x01_P1.27mm_Vertical]  15.41 16 180 top
J11#2  Conn_01x01_Pin  [PinHeader_1x01_P1.27mm_Vertical]  87.41 55 180 top
J11#3  Conn_01x01_Pin  [PinHeader_1x01_P1.27mm_Vertical]  15.41 29 180 top
J11#4  Conn_01x01_Pin  [PinHeader_1x01_P1.27mm_Vertical]  70.41 16 180 top
J11#5  Conn_01x01_Pin  [PinHeader_1x01_P1.27mm_Vertical]  32.41 16 180 top
J11#6  Conn_01x01_Pin  [PinHeader_1x01_P1.27mm_Vertical]  70.41 29 180 top
J11#7  Conn_01x01_Pin  [PinHeader_1x01_P1.27mm_Vertical]  32.41 29 180 top
J11#8  Conn_01x01_Pin  [PinHeader_1x01_P1.27mm_Vertical]  15.41 81 180 top
J11#9  Conn_01x01_Pin  [PinHeader_1x01_P1.27mm_Vertical]  70.41 55 180 top
J11#10  Conn_01x01_Pin  [PinHeader_1x01_P1.27mm_Vertical]  87.41 29 180 top
J11#11  Conn_01x01_Pin  [PinHeader_1x01_P1.27mm_Vertical]  32.41 42 180 top
J11#12  Conn_01x01_Pin  [PinHeader_1x01_P1.27mm_Vertical]  70.41 68 180 top
J11#13  Conn_01x01_Pin  [PinHeader_1x01_P1.27mm_Vertical]  49.41 55 180 top
J11#14  Conn_01x01_Pin  [PinHeader_1x01_P1.27mm_Vertical]  49.41 94 180 top
J11#15  Conn_01x01_Pin  [PinHeader_1x01_P1.27mm_Vertical]  70.41 81 180 top
J11#16  Conn_01x01_Pin  [PinHeader_1x01_P1.27mm_Vertical]  87.41 81 180 top
J11#17  Conn_01x01_Pin  [PinHeader_1x01_P1.27mm_Vertical]  32.41 81 180 top
J11#18  Conn_01x01_Pin  [PinHeader_1x01_P1.27mm_Vertical]  32.41 68 180 top
J11#19  Conn_01x01_Pin  [PinHeader_1x01_P1.27mm_Vertical]  87.41 42 180 top
J11#20  Conn_01x01_Pin  [PinHeader_1x01_P1.27mm_Vertical]  49.41 42 180 top
J11#21  Conn_01x01_Pin  [PinHeader_1x01_P1.27mm_Vertical]  15.41 42 180 top
J11#22  Conn_01x01_Pin  [PinHeader_1x01_P1.27mm_Vertical]  87.41 94 180 top
J11#23  Conn_01x01_Pin  [PinHeader_1x01_P1.27mm_Vertical]  49.41 81 180 top
J11#24  Conn_01x01_Pin  [PinHeader_1x01_P1.27mm_Vertical]  15.41 94 180 top
J11#25  Conn_01x01_Pin  [PinHeader_1x01_P1.27mm_Vertical]  70.41 94 180 top
J11#26  Conn_01x01_Pin  [PinHeader_1x01_P1.27mm_Vertical]  32.41 55 180 top
J11#27  Conn_01x01_Pin  [PinHeader_1x01_P1.27mm_Vertical]  15.41 68 180 top
J11#28  Conn_01x01_Pin  [PinHeader_1x01_P1.27mm_Vertical]  70.41 42 180 top
J11#29  Conn_01x01_Pin  [PinHeader_1x01_P1.27mm_Vertical]  49.41 16 180 top
J11#30  Conn_01x01_Pin  [PinHeader_1x01_P1.27mm_Vertical]  87.41 16 180 top
J11#31  Conn_01x01_Pin  [PinHeader_1x01_P1.27mm_Vertical]  49.41 68 180 top
J11#32  Conn_01x01_Pin  [PinHeader_1x01_P1.27mm_Vertical]  49.41 29 180 top
J11#33  Conn_01x01_Pin  [PinHeader_1x01_P1.27mm_Vertical]  15.41 55 180 top
J11#34  Conn_01x01_Pin  [PinHeader_1x01_P1.27mm_Vertical]  32.41 94 180 top
J11#35  Conn_01x01_Pin  [PinHeader_1x01_P1.27mm_Vertical]  87.41 68 180 top
J12  Conn_01x01_Pin  [PinHeader_1x01_P1.27mm_Vertical]  16.68 16 0 top
J12#2  Conn_01x01_Pin  [PinHeader_1x01_P1.27mm_Vertical]  71.67 29 0 top
J12#3  Conn_01x01_Pin  [PinHeader_1x01_P1.27mm_Vertical]  33.68 55 0 top
J12#4  Conn_01x01_Pin  [PinHeader_1x01_P1.27mm_Vertical]  71.67 42 0 top
J12#5  Conn_01x01_Pin  [PinHeader_1x01_P1.27mm_Vertical]  71.67 55 0 top
J12#6  Conn_01x01_Pin  [PinHeader_1x01_P1.27mm_Vertical]  88.68 16 0 top
J12#7  Conn_01x01_Pin  [PinHeader_1x01_P1.27mm_Vertical]  71.67 16 0 top
J12#8  Conn_01x01_Pin  [PinHeader_1x01_P1.27mm_Vertical]  33.68 81 0 top
J12#9  Conn_01x01_Pin  [PinHeader_1x01_P1.27mm_Vertical]  50.68 16 0 top
J12#10  Conn_01x01_Pin  [PinHeader_1x01_P1.27mm_Vertical]  16.68 81 0 top
J12#11  Conn_01x01_Pin  [PinHeader_1x01_P1.27mm_Vertical]  50.68 81 0 top
J12#12  Conn_01x01_Pin  [PinHeader_1x01_P1.27mm_Vertical]  33.68 29 0 top
J12#13  Conn_01x01_Pin  [PinHeader_1x01_P1.27mm_Vertical]  33.68 94 0 top
J12#14  Conn_01x01_Pin  [PinHeader_1x01_P1.27mm_Vertical]  88.68 81 0 top
J12#15  Conn_01x01_Pin  [PinHeader_1x01_P1.27mm_Vertical]  50.68 42 0 top
J12#16  Conn_01x01_Pin  [PinHeader_1x01_P1.27mm_Vertical]  71.67 68 0 top
J12#17  Conn_01x01_Pin  [PinHeader_1x01_P1.27mm_Vertical]  16.68 94 0 top
J12#18  Conn_01x01_Pin  [PinHeader_1x01_P1.27mm_Vertical]  16.68 68 0 top
J12#19  Conn_01x01_Pin  [PinHeader_1x01_P1.27mm_Vertical]  71.67 94 0 top
J12#20  Conn_01x01_Pin  [PinHeader_1x01_P1.27mm_Vertical]  16.68 55 0 top
J12#21  Conn_01x01_Pin  [PinHeader_1x01_P1.27mm_Vertical]  33.68 42 0 top
J12#22  Conn_01x01_Pin  [PinHeader_1x01_P1.27mm_Vertical]  88.68 55 0 top
J12#23  Conn_01x01_Pin  [PinHeader_1x01_P1.27mm_Vertical]  50.68 55 0 top
J12#24  Conn_01x01_Pin  [PinHeader_1x01_P1.27mm_Vertical]  16.68 42 0 top
J12#25  Conn_01x01_Pin  [PinHeader_1x01_P1.27mm_Vertical]  88.68 29 0 top
J12#26  Conn_01x01_Pin  [PinHeader_1x01_P1.27mm_Vertical]  71.67 81 0 top
J12#27  Conn_01x01_Pin  [PinHeader_1x01_P1.27mm_Vertical]  88.68 68 0 top
J12#28  Conn_01x01_Pin  [PinHeader_1x01_P1.27mm_Vertical]  88.68 94 0 top
J12#29  Conn_01x01_Pin  [PinHeader_1x01_P1.27mm_Vertical]  50.68 29 0 top
J12#30  Conn_01x01_Pin  [PinHeader_1x01_P1.27mm_Vertical]  33.68 16 0 top
J12#31  Conn_01x01_Pin  [PinHeader_1x01_P1.27mm_Vertical]  50.68 94 0 top
J12#32  Conn_01x01_Pin  [PinHeader_1x01_P1.27mm_Vertical]  16.68 29 0 top
J12#33  Conn_01x01_Pin  [PinHeader_1x01_P1.27mm_Vertical]  33.68 68 0 top
J12#34  Conn_01x01_Pin  [PinHeader_1x01_P1.27mm_Vertical]  88.68 42 0 top
J12#35  Conn_01x01_Pin  [PinHeader_1x01_P1.27mm_Vertical]  50.68 68 0 top
J13  Conn_01x01_Pin  [PinHeader_1x01_P1.27mm_Vertical]  26.06 29 0 top
J13#2  Conn_01x01_Pin  [PinHeader_1x01_P1.27mm_Vertical]  64.06 68 0 top
J13#3  Conn_01x01_Pin  [PinHeader_1x01_P1.27mm_Vertical]  81.06 81 0 top
J13#4  Conn_01x01_Pin  [PinHeader_1x01_P1.27mm_Vertical]  64.06 55 0 top
J13#5  Conn_01x01_Pin  [PinHeader_1x01_P1.27mm_Vertical]  64.06 81 0 top
J13#6  Conn_01x01_Pin  [PinHeader_1x01_P1.27mm_Vertical]  81.06 55 0 top
J13#7  Conn_01x01_Pin  [PinHeader_1x01_P1.27mm_Vertical]  43.05 55 0 top
J13#8  Conn_01x01_Pin  [PinHeader_1x01_P1.27mm_Vertical]  43.05 29 0 top
J13#9  Conn_01x01_Pin  [PinHeader_1x01_P1.27mm_Vertical]  81.06 42 0 top
J13#10  Conn_01x01_Pin  [PinHeader_1x01_P1.27mm_Vertical]  26.06 55 0 top
J13#11  Conn_01x01_Pin  [PinHeader_1x01_P1.27mm_Vertical]  43.05 42 0 top
J13#12  Conn_01x01_Pin  [PinHeader_1x01_P1.27mm_Vertical]  81.06 16 0 top
J13#13  Conn_01x01_Pin  [PinHeader_1x01_P1.27mm_Vertical]  9.05 29 0 top
J13#14  Conn_01x01_Pin  [PinHeader_1x01_P1.27mm_Vertical]  9.05 55 0 top
J13#15  Conn_01x01_Pin  [PinHeader_1x01_P1.27mm_Vertical]  81.06 29 0 top
J13#16  Conn_01x01_Pin  [PinHeader_1x01_P1.27mm_Vertical]  9.05 16 0 top
J13#17  Conn_01x01_Pin  [PinHeader_1x01_P1.27mm_Vertical]  9.05 42 0 top
J13#18  Conn_01x01_Pin  [PinHeader_1x01_P1.27mm_Vertical]  43.05 16 0 top
J13#19  Conn_01x01_Pin  [PinHeader_1x01_P1.27mm_Vertical]  81.06 94 0 top
J13#20  Conn_01x01_Pin  [PinHeader_1x01_P1.27mm_Vertical]  81.06 68 0 top
J13#21  Conn_01x01_Pin  [PinHeader_1x01_P1.27mm_Vertical]  26.06 68 0 top
J13#22  Conn_01x01_Pin  [PinHeader_1x01_P1.27mm_Vertical]  43.05 81 0 top
J13#23  Conn_01x01_Pin  [PinHeader_1x01_P1.27mm_Vertical]  26.06 81 0 top
J13#24  Conn_01x01_Pin  [PinHeader_1x01_P1.27mm_Vertical]  43.05 94 0 top
J13#25  Conn_01x01_Pin  [PinHeader_1x01_P1.27mm_Vertical]  64.06 94 0 top
J13#26  Conn_01x01_Pin  [PinHeader_1x01_P1.27mm_Vertical]  9.05 94 0 top
J13#27  Conn_01x01_Pin  [PinHeader_1x01_P1.27mm_Vertical]  64.06 29 0 top
J13#28  Conn_01x01_Pin  [PinHeader_1x01_P1.27mm_Vertical]  43.05 68 0 top
J13#29  Conn_01x01_Pin  [PinHeader_1x01_P1.27mm_Vertical]  26.06 42 0 top
J13#30  Conn_01x01_Pin  [PinHeader_1x01_P1.27mm_Vertical]  9.05 68 0 top
J13#31  Conn_01x01_Pin  [PinHeader_1x01_P1.27mm_Vertical]  26.06 16 0 top
J13#32  Conn_01x01_Pin  [PinHeader_1x01_P1.27mm_Vertical]  26.06 94 0 top
J13#33  Conn_01x01_Pin  [PinHeader_1x01_P1.27mm_Vertical]  9.05 81 0 top
J13#34  Conn_01x01_Pin  [PinHeader_1x01_P1.27mm_Vertical]  64.06 16 0 top
J13#35  Conn_01x01_Pin  [PinHeader_1x01_P1.27mm_Vertical]  64.06 42 0 top
